# Altium PCB Remote_Control_PCB.PcbDoc
Units mil, origin at the board's own origin, x right, y up, seen from the top; angles counter-clockwise.
Board outline 3934.32 x 2777.57 mil, 2 copper layers (Top Layer, Bottom Layer); 87 components, 60 nets, 361 pads, 447 vias.
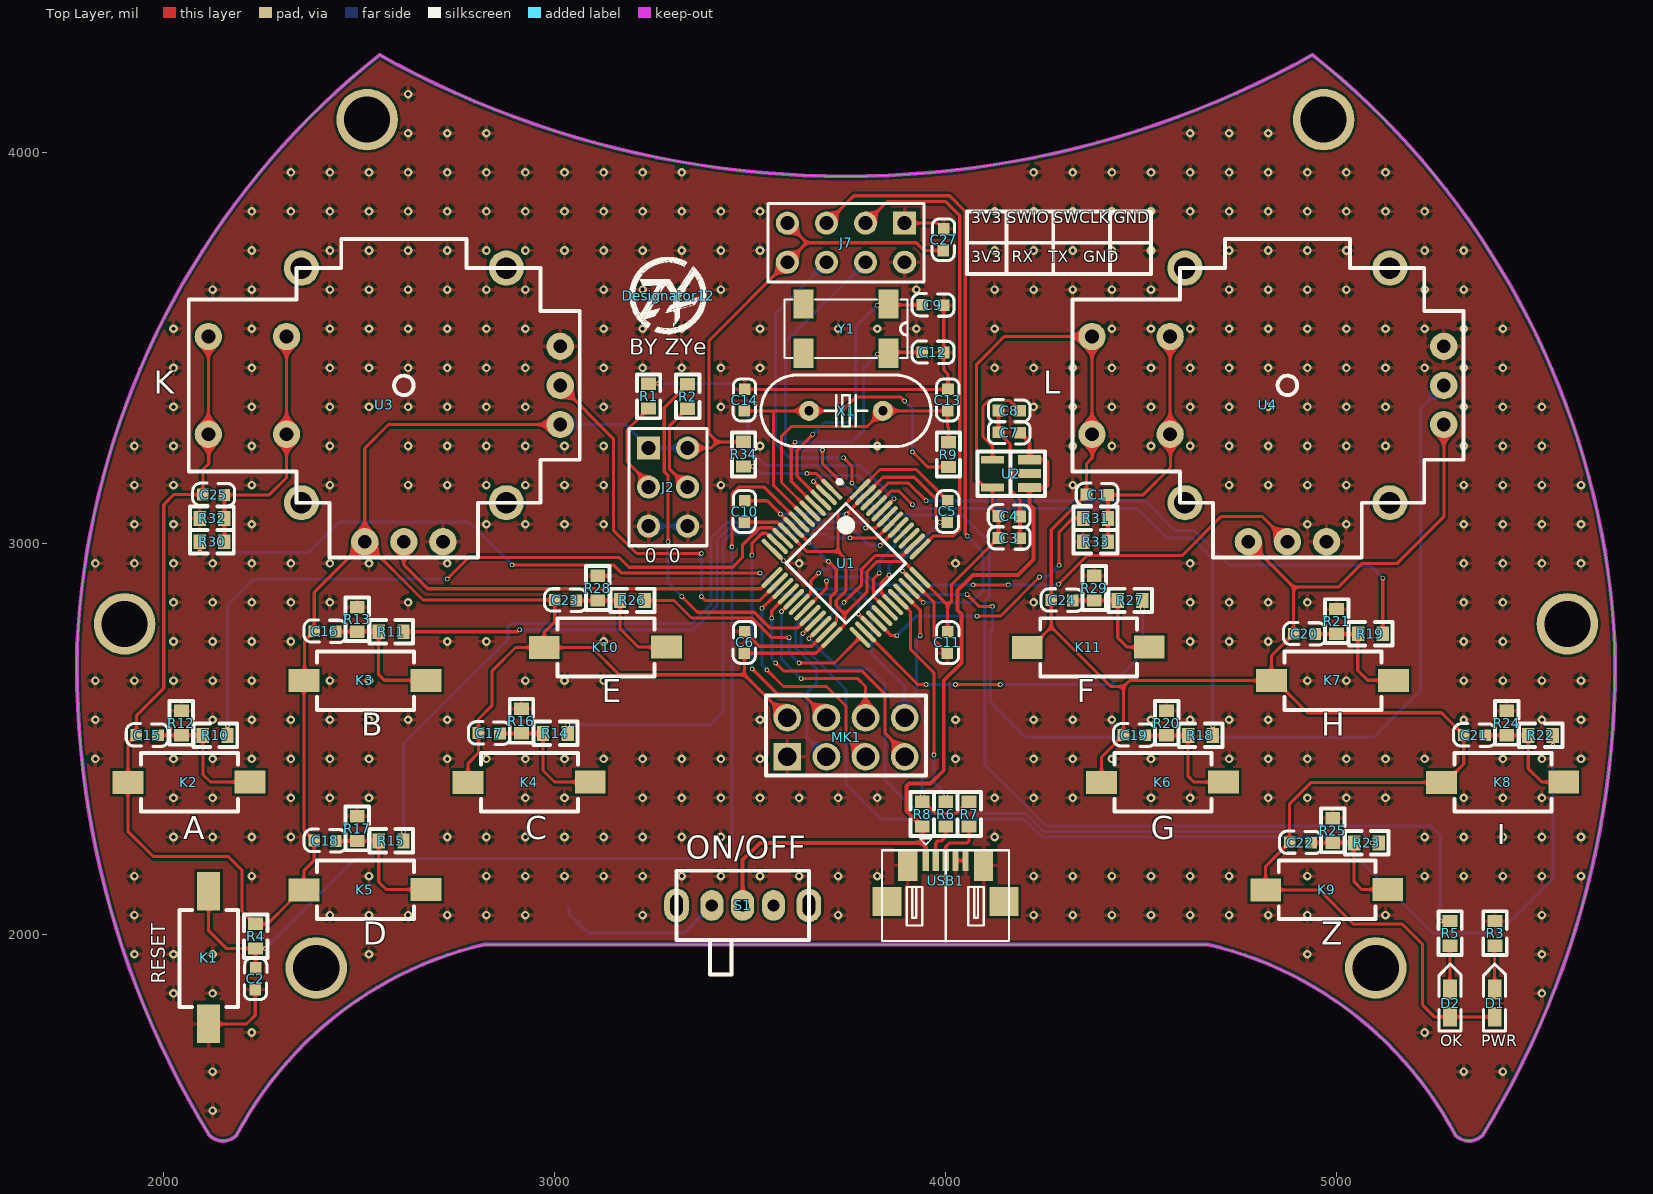
[diagram p0: Top Layer view]
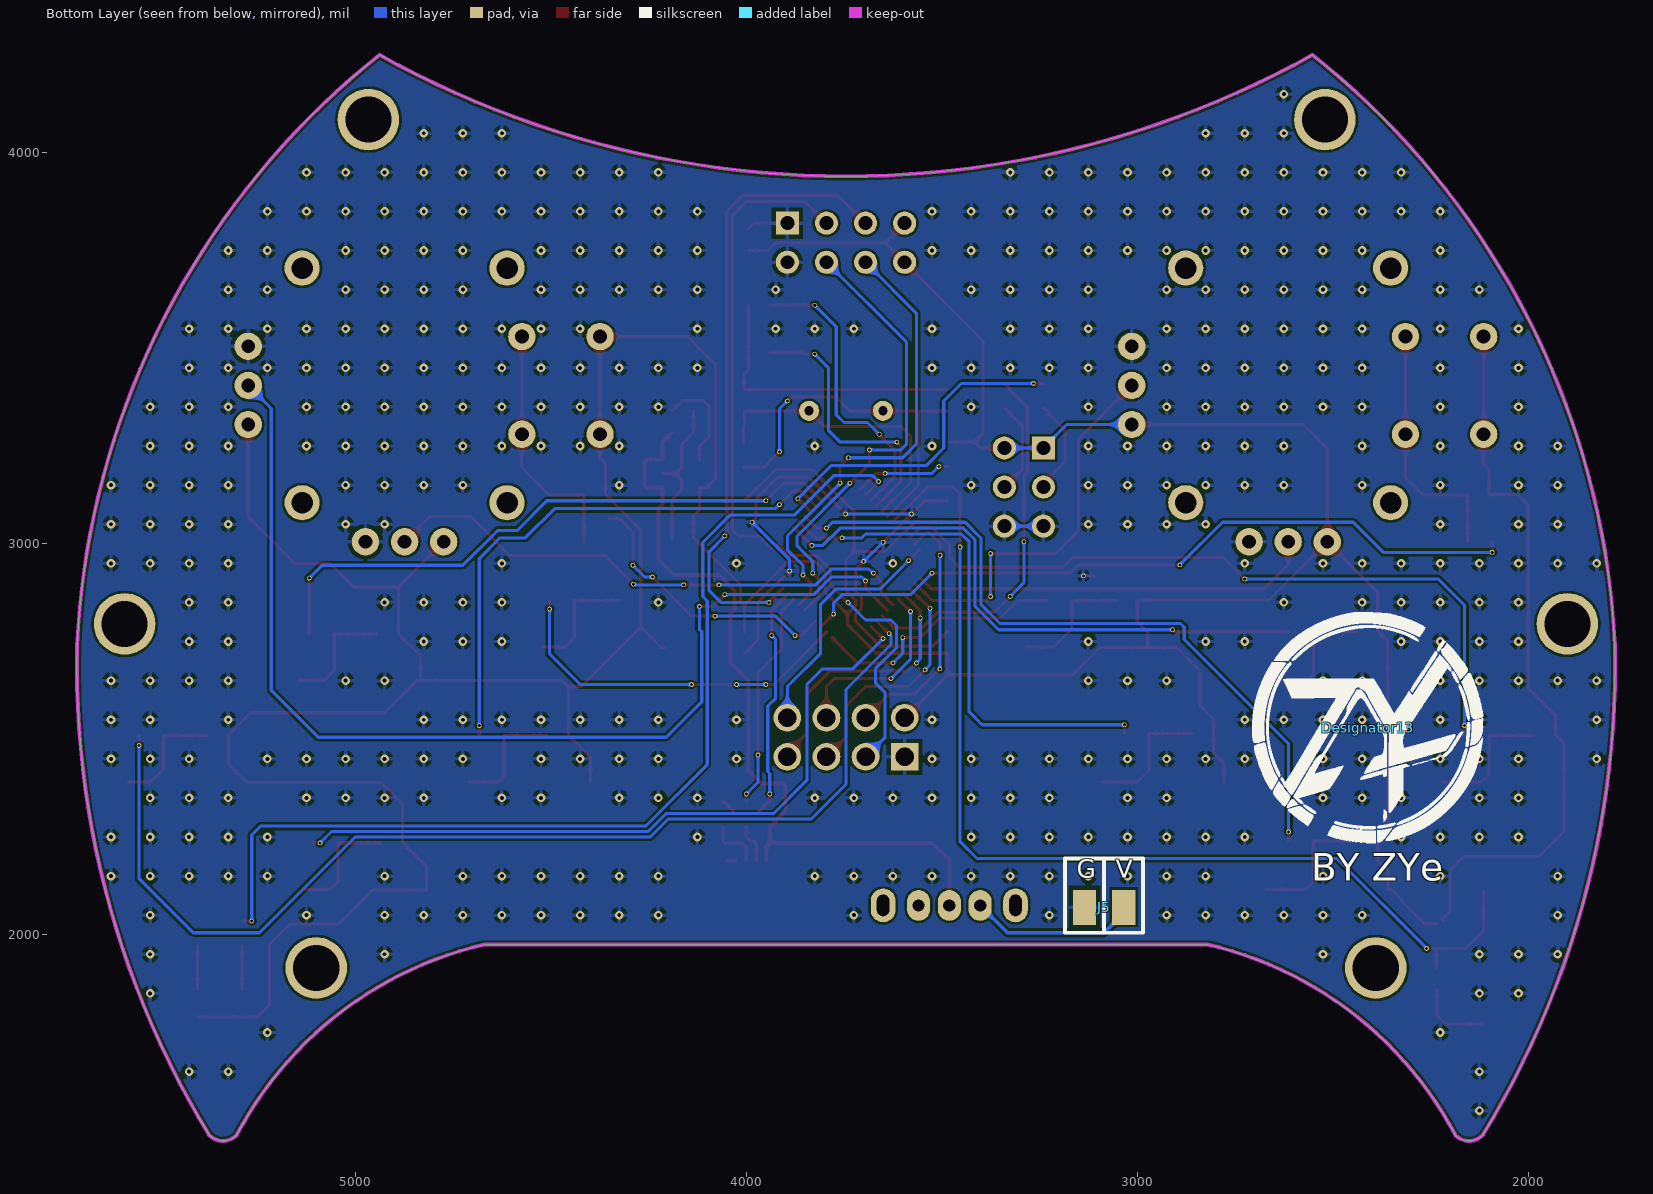
[diagram p1: Bottom Layer view, seen from below]

## Layer stack, top to bottom
Top Solder: solder mask 0.4, Solder Resist, Dk 3.5
Top Layer: signal copper 1.4
Dielectric 1: dielectric 12.6, FR-4, Dk 4.8
Bottom Layer: signal copper 1.4
Bottom Solder: solder mask 0.4, Solder Resist, Dk 3.5

## Board outline
2116.15,1487.71 ccw(c2151.5,1522.04) 2185.83,1486.68 cw(c3037.4,1036.7) 2820,1975 3745,1975 4670,1975 cw(c4452.6,1036.7) 5304.17,1486.68 ccw(c5338.5,1522.04) 5373.85,1487.71 ccw(c3406.65,2690) 5711.63,2739.38 5711.63,2739.37 ccw(c3661.25,2643.39) 4938.27,4250.41 cw(c3745,6388.8) 2551.73,4250.41 ccw(c3828.75,2643.39) 1778.36,2739.37 1778.37,2739.38 ccw(c4083.35,2690)

## Design rules (kind name [scope] priority, off if disabled: settings)
Clearance [All] p1: gap=6 ignorepadtopadclearanceinfootprint=FALSE
Height [All] p1: minheight=0 maxheight=1300 prefheight=500
HoleSize [All] p1: absolutevalues=TRUE maxlimit=130 minlimit=1 maxpercent=80.000 minpercent=20.000
HoleToHoleClearance [All] p1: gap=6 allowstackedmicrovias=TRUE
MinimumSolderMaskSliver [All] p1: minsoldermaskwidth=0
PolygonConnect [All] p1: connectstyle=Relief reliefconductorwidth=10 reliefentries=4 polygonreliefangle="90 Angle" airgapwidth=10
RoutingVias [All] p1: holewidth=28 width=50 viastyle="Through Hole" minholewidth=28 minwidth=50 maxholewidth=28 maxwidth=50
SilkToSilkClearance [All] p1: silktosilkclearance=0
SilkToSolderMaskClearance [IsPad] p1: minsilkscreentomaskgap=0 clearancetoexposedcopper=TRUE
SolderMaskExpansion [All] p1: expansion=4 istentingtop=FALSE
Width GND [InNet('GND')] p1: maxlimit=10 minlimit=8 preferedwidth=8
Width VCC_3V3 [All] p2: maxlimit=10 minlimit=8 preferedwidth=8
Width VCC_5V [InNet('5V')] p3: maxlimit=14 minlimit=10 preferedwidth=10
Width [All] p4: maxlimit=14 minlimit=8 preferedwidth=8
24 further rules are at their usual default settings.

## Components (designator, comment, footprint, x,y, rotation, side; value= is the part's Value field where it differs from the comment)
C1 "0.1uF" 0603C 4415.21,3124.65 r180 top
C2 "104" 0603C 2233.65,1859.79 r90 top
C3 "106" 0603C 4190.15,3013.65 r180 top
C4 "104" 0603C 4190.15,3069.65 r180 top
C5 "104" 0603C 4003.64,3054.85 r90 top
C6 "104" 0603C 3486.35,2775.21 r270 top
C7 "105" 0603C 4134.79,3285.35 r0 top
C8 "223" 0603C 4134.79,3341.35 r0 top
C9 "20p" 0603C 3995.21,3609.65 r180 top
C10 "104" 0603C 3486.35,3110.21 r270 top
C11 "104" 0603C 4003.64,2719.85 r90 top
C12 "20p" 0603C 3995.21,3488.65 r180 top
C13 "20p" 0603C 4006.35,3395.21 r270 top
C14 "20p" 0603C 3486.35,3395.21 r270 top
C15 "0.1uF" 0603C 1985.21,2509.65 r180 top
C16 "0.1uF" 0603C 2440,2775 r180 top
C17 "0.1uF" 0603C 2860.21,2514.65 r180 top
C18 "0.1uF" 0603C 2440.21,2239.65 r180 top
C19 "0.1uF" 0603C 4510.21,2509.65 r180 top
C20 "0.1uF" 0603C 4945.21,2768.65 r180 top
C21 "0.1uF" 0603C 5380.21,2509.65 r180 top
C22 "0.1uF" 0603C 4935,2235 r180 top
C23 "0.1uF" 0603C 3055.21,2854.65 r180 top
C24 "0.1uF" 0603C 4325.21,2854.65 r180 top
C25 "0.1uF" 0603C 2155.21,3124.65 r180 top
C27 "104" 0603C 3995.35,3805.21 r270 top
D1 "LED" LED-0603B 5404.26,1790 r90 top
D2 "LED" LED-0603B 5290.26,1790 r90 top
Designator12 "Comment" ZY_Logo_Slik_95mil 3290,3635 r0 top
Designator13 "Comment" ZY_Logo_Slik_295mil 2410,2530 r180 bottom
J2 "Pin HDR2X3" "Pin HDR2X3/2.54mm-S" 3240,3245 r270 top
J5 "Power" "Pin HDR1X2/2.54mm-S" 3035,2070 r270 bottom
J7 "USART1/ST_LINK" "Pin HDR2X4/2.54mm-S" 3895,3820 r180 top
K1 "KEY" SMD-3X6X5 2114.8,1771.79 r90 top
K2 "KEY" SMD-3X6X2.5 2218.37,2389.8 r180 top
K3 "KEY" SMD-3X6X2.5 2668.37,2650 r180 top
K4 "KEY" SMD-3X6X2.5 3088.37,2389.8 r180 top
K5 "KEY" SMD-3X6X2.5 2668.37,2114.8 r180 top
K6 "KEY" SMD-3X6X2.5 4708.37,2389.8 r180 top
K7 "KEY" SMD-3X6X2.5 5143.37,2650 r180 top
K8 "KEY" SMD-3X6X2.5 5578.37,2389.8 r180 top
K9 "KEY" SMD-3X6X2.5 5128.37,2114.8 r180 top
K10 "KEY" SMD-3X6X2.5 3283.37,2734.8 r180 top
K11 "KEY" SMD-3X6X2.5 4518.37,2734.8 r180 top
MK1 "NRF24L01" WIRELM-SMD_NRF24L01 3815.8,2958.8 r180 top
R1 "100K" 0603R 3240,3345.99 r90 top
R2 "100K" 0603R 3340,3407.99 r270 top
R3 "510" 0603R 5405,2035 r270 top
R4 "10K" 0603R 2235,1965 r90 top
R5 "510" 0603R 5290,2035 r270 top
R6 "20R" 0603R 4000,2340 r270 top
R7 "20R" 0603R 4060,2340 r270 top
R8 "4.7K" 0603R 3940,2340 r270 top
R9 "1M" 0603R 4007.06,3259.56 r270 top
R10 "1K" 0603R 2162.99,2510 r180 top
R11 "1K" 0603R 2612.99,2775 r180 top
R12 "4.7K" 0603R 2045,2572.99 r270 top
R13 "4.7K" 0603R 2495,2837.99 r270 top
R14 "1K" 0603R 3032.99,2515 r180 top
R15 "1K" 0603R 2612.99,2240 r180 top
R16 "4.7K" 0603R 2915,2577.99 r270 top
R17 "4.7K" 0603R 2495,2302.99 r270 top
R18 "1K" 0603R 4682.99,2510 r180 top
R19 "1K" 0603R 5117.99,2770 r180 top
R20 "4.7K" 0603R 4565,2572.99 r270 top
R21 "4.7K" 0603R 5000,2832.99 r270 top
R22 "1K" 0603R 5552.99,2510 r180 top
R23 "1K" 0603R 5107.99,2235 r180 top
R24 "4.7K" 0603R 5435,2572.99 r270 top
R25 "4.7K" 0603R 4990,2297.99 r270 top
R26 "1K" 0603R 3230,2855 r180 top
R27 "1K" 0603R 4502.99,2855 r180 top
R28 "4.7K" 0603R 3110,2917.99 r270 top
R29 "4.7K" 0603R 4380,2917.99 r270 top
R30 "1K" 0603R 2092.01,3005 r0 top
R31 "1K" 0603R 4352.01,3065 r0 top
R32 "4.7K" 0603R 2092.01,3065 r0 top
R33 "4.7K" 0603R 4352.01,3005 r0 top
R34 "0R" 0603R 3482.94,3197.56 r90 top
S1 "SS-12" SK-12D07VG3 3401.97,2075 r0 top
U1 "STM32F103C8T6" 48P 3745,2950 r315 top
U2 "RT9193" SOT-23-5 4167.24,3179.57 r90 top
U3 "摇杆" 摇杆_直插_圆半径13_10电气脚_4固定脚 2615,3405 r90 top
U4 "摇杆" 摇杆_直插_圆半径13_10电气脚_4固定脚 4875,3405 r90 top
USB1 "Micro-USB" USB-MICRO_A 3949,2190 r0 top
X1 "XTAL-2P" "OSC HC-49S" 3745,3340 r0 top
Y1 "32.768K" MC-306 3745,3550 r180 top

## Footprints (in the part's own frame and the unit in brackets; to place one, negate y for a bottom-side part, rotate by r counter-clockwise, add the part's x,y. Pads: shape width x height; smd on the part's side, far side on the other; paste and mask are expansions set on the pad)
48P [mm]
  oval 1.8x0.3 smd: 1(-4.05,2.75) 2(-4.05,2.25) 3(-4.05,1.75) 4(-4.05,1.25) 5(-4.05,0.75) 6(-4.05,0.25) 7(-4.05,-0.25) 8(-4.05,-0.75) 9(-4.05,-1.25) 10(-4.05,-1.75) 11(-4.05,-2.25) 12(-4.05,-2.75) 25(4.05,-2.75) 26(4.05,-2.25) 27(4.05,-1.75) 28(4.05,-1.25) 29(4.05,-0.75) 30(4.05,-0.25) 31(4.05,0.25) 32(4.05,0.75) 33(4.05,1.25) 34(4.05,1.75) 35(4.05,2.25) 36(4.05,2.75)
  oval 0.3x1.8 smd: 13(-2.75,-4.05) 14(-2.25,-4.05) 15(-1.75,-4.05) 16(-1.25,-4.05) 17(-0.75,-4.05) 18(-0.25,-4.05) 19(0.25,-4.05) 20(0.75,-4.05) 21(1.25,-4.05) 22(1.75,-4.05) 23(2.25,-4.05) 24(2.75,-4.05) 37(2.75,4.05) 38(2.25,4.05) 39(1.75,4.05) 40(1.25,4.05) 41(0.75,4.05) 42(0.25,4.05) 43(-0.25,4.05) 44(-0.75,4.05) 45(-1.25,4.05) 46(-1.75,4.05) 47(-2.25,4.05) 48(-2.75,4.05)
  silkscreen extent -4.17,-2.75 2.75,3.57, body extent -3.5,-3.5 3.5,3.5, height 1.6
0603C [mil]
  rect 30x30 smd: 1(0.21,-0.35) 2(55.21,-1.35)
  silkscreen extent -26,-30 81,28, body extent -1,-15 62,17, height 12
0603R [mm]
  rect 0.8x0.965 smd: 1(0,0) 2(1.6,0)
  silkscreen extent -0.64,-0.76 2.21,0.76, body extent -0.04,-0.41 1.56,0.41, height 0.45
LED-0603B [mil]
  rect 50x35 smd: A(0,0.26) K(70,0.26)
  silkscreen extent -36,-28 135,28, body extent 4,-15 66,17, height 24
MC-306 [mm]
  rect 1.3x1.9 smd: 1(-2.75,-1.6) 2(2.75,-1.6) 3(2.75,1.6) 4(-2.75,1.6)
  silkscreen extent -4,-1.9 4,1.9
"OSC HC-49S" [mm]
  round 1.3 hole 0.6: 1(-2.4,0) 2(2.4,0)
  silkscreen extent -5.52,-2.32 5.52,2.33, body extent -5.53,-2.29 5.53,2.36, height 4.13
"Pin HDR1X2/2.54mm-S" [mil]
  rect 90x60 smd: 1(0,0) 2(0,-100)
  silkscreen extent -125,-150 65,50
"Pin HDR2X3/2.54mm-S" [mm] "Connector; Header; 3x2 Position"
  rect 1.5x1.5 hole 0.9: 1(0,0)
  round 1.5 hole 0.9: 2(0,2.54) 3(2.54,0) 4(2.54,2.54) 5(5.08,0) 6(5.08,2.54)
  silkscreen extent -1.27,-1.27 6.35,3.81, body extent -1.27,-1.27 6.35,3.81, height 7.58
"Pin HDR2X4/2.54mm-S" [mm] "Connector; Header; 4x2 Position"
  rect 1.5x1.5 hole 0.9: 1(0,0)
  round 1.5 hole 0.9: 2(0,2.54) 3(2.54,0) 4(2.54,2.54) 5(5.08,0) 6(5.08,2.54) 7(7.62,0) 8(7.62,2.54)
  silkscreen extent -1.27,-1.27 8.89,3.81, body extent -1.27,-1.27 8.89,3.81, height 7.58
SK-12D07VG3 [mm]
  oval 1.6x2.2 hole 0.8 slot 1.4 at 90 deg: 0(-2.3,0) 0(6.3,0)
  oval 1.5x2 hole 0.8: 1(0,0) 2(2,0) 3(4,0)
  silkscreen extent -2.3,-4.48 6.3,2.25
SMD-3X6X2.5 [mm]
  rect 2x1.5 smd: 1(-0.059,-0.02) 3(7.874,0)
  silkscreen extent 0.73,-1.9 7.03,1.9, body extent -0.19,-1.78 7.81,1.72, height 2.59
SMD-3X6X5 [mm]
  rect 2.5x1.5 smd: 1(0,0) 3(8.636,0)
  silkscreen extent 1.11,-1.9 7.41,1.9, body extent -0.41,-1.72 8.79,1.78, height 5.1
SOT-23-5 [mm]
  rect 0.6x1.5 smd: 1(-0.9,-1.2) 2(0,-1.2)
  rect 0.63x1.5 smd: 3(0.9,-1.2)
  rect 0.5x1.5 smd: 4(0.9,1.2) 5(-0.9,1.2)
  silkscreen extent -1.47,-2.21 1.43,2.18
USB-MICRO_A [mm]
  rect 1.9x1.9 smd: 0(-2.515,-2.667) 0(5.08,-2.667)
  rect 0.4x1.4 smd: 1(0,0) 2(0.648,0) 3(1.295,0) 4(1.943,0) 5(2.591,0)
  rect 1.25x2 smd: 5(-1.168,-0.33) 5(3.759,-0.33)
  silkscreen extent -2.84,-5.24 5.41,1.4, body extent -2.71,-5.08 5.25,0.34, height 2.69
WIRELM-SMD_NRF24L01 [mm]
  rect 1.8x1.8 hole 1.2: 1(5.606,12.799)
  round 1.8 hole 1.2: 2(5.608,10.256) 3(3.068,12.796) 4(3.068,10.256) 5(0.528,12.796) 6(0.528,10.256) 7(-2.012,12.796) 8(-2.012,10.256)
  silkscreen extent -3.4,8.8 7,14
ZY_Logo_Slik_95mil [mil]
  silkscreen extent -99,-99 98,98
ZY_Logo_Slik_295mil [mil]
  silkscreen extent -296,-296 295,295
摇杆_直插_圆半径13_10电气脚_4固定脚 [mil]
  round 70 hole 35.4: 1(-125,500.95) 2(125,500.95) 3(-125,300.95) 4(125,300.95)
  round 70 hole 35: 5(-400,100.95) 6(-400,0.95) 7(-400,-99.05) 8(-100,-399.05) 9(0,-399.05) 10(100,-399.05)
  round 90 hole 55: MOUNT1(-300,262.95) MOUNT2(-300,-261.05) MOUNT3(300,-261.05) MOUNT4(300,262.95)
  silkscreen extent -440,-449 375,551, body extent -500,-496 484,488, height 1156

## Part data
C1 C2 C3 C4 C5 C6 C7 C8 C9 C10 C11 C12 C13 C14 C15 C16 C17 C18 C19 C20 C21 C22 C23 C24 C25 C27: library part CAP, "无极性电容"
J5: library part "Pin HDR1X2"
J7: library part "Pin HDR2X4"
R1 R2 R3 R4 R5 R6 R7 R8 R9 R10 R11 R12 R13 R14 R15 R16 R17 R18 R19 R20 R21 R22 R23 R24 R25 R26 R27 R28 R29 R30 R31 R32 R33 R34: library part RES
S1: library part SS-12X
U2: library part RT9193X_5P, ICA_MFR_NAME=RICHTEK, ICA_PARTNUM=$$2191094$$RT9193-15CU5, Part Number=TMP-13
X1: "2脚无源脚晶振"
Y1: library part XTAL, "Crystal Oscillator", LatestRevisionDate=17-Jul-2002, LatestRevisionNote="Re-released for DXP Platform.", Published=8-Jun-2000, Publisher="Altium Limited"

## Free pads (board coordinates)
  round 12 hole 8 mask+4: 3(2092.01,2977.99) 3(2260,1965) 3(2612.99,2262.99) 3(2910,2780) 3(3032.99,2537.01) 3(3265.87,3410.09) 3(3290,3005) 3(3325,2865) 3(3375,2865) 3(3375,2975) 3(3453,2992) 3(3504.24,2970.76) 3(3505,2680) 3(3507.56,3197.56) 3(3525,2925) 3(3530,2835) 3(3542.56,2677.44) 3(3555,2810) 3(3565,2695) 3(3577.31,3075.93) 3(3580,2826.76) 3(3585,2956.89) 3(3600,2760) 3(3615,3260) 3(3625,2695) 3(3630,2655) 3(3634.8,2770.2) 3(3645,3180) 3(3650,2757.56) 3(3650,3004) 3(3660,3280) 3(3661.69,3159.23) 3(3675,2925) 3(3685,3240) 3(3695,2905) 3(3700,2955) 3(3735,3155) 3(3738.92,3220) 3(3740,2850) 3(3745.93,3075.93) 3(3755,3015) 3(3760,3155) 3(3776.53,2820) 3(3795,3040) 3(3825,3485) 3(3825,3610) 3(3830,2925) 3(3832.52,2995.77) 3(3855,2920) 3(3868.24,3115) 3(3875,2765) 3(3889.24,2930) 3(3895,3365) 3(3915,3100) 3(3915,3235) 3(3935,2765) 3(3940,2360) 3(3942.44,2850) 3(3950,2640) 3(3950,3110) 3(3970,2460) 3(3985,3055) 3(4000,2360) 3(4025,2640) 3(4055,2870) 3(4055,3020) 3(4070,2895) 3(4080,2815) 3(4120,2840) 3(4140,2640) 3(4160,2895) 3(4240,2915) 3(4288.65,2896.44) 3(4290,2945) 3(4502.99,2832.99) 3(4682.99,2535) 3(5090,2235) 3(5117.99,2912.01) 3(5265,2035) 3(5552.99,2484) 4(2162.99,2535) 4(2725,2910) 4(2891,2946) 4(3137.99,2917.99)
  round 157.48 hole 118.11: 5(1900,2795) 5(2390,1915) 5(4966.54,4085) 5(5100,1915) 5(5590,2795) ""(2520,4085)

## Via types
v1: diameter 22/22 (per signal layer), hole 10, Top Layer to Bottom Layer, tented both sides, 447 vias

## Nets (pads, with @x,y where several pads share a name; then routed paths per layer and width w, separated by ;. In a path a pad name is that pad's centre, name@x,y a point inside that pad or via, vN(x,y) a via of type N, cw(c..) or ccw(c..) an arc to the next point about the centre after c; other vN are vias at no path point)
5V: C7.2 R8.2 S1.2 U2.1 U2.3 USB1.1 | length 2052.1
  Top Layer w10: S1.2 3480.71,2190.71 3525,2235 3940,2235 ; USB1.1 3949,2226 3940,2235 ; C7.2 4214.49,3259.51 U2.3 4255.31,3215 4260,3210.31 4260,3148.82 4255.31,3144.13 U2.1 4214.49,3100.51 4225,3090 4225,2960 4185,2920 4070,2920 4030,2880 4030,2830 4040,2820 4040,2695 3995,2650 3995,2420 3961.54,2386.54 3906.54,2386.54 3900,2380 3900,2317.01 3925,2292 3925,2288.76 3936.75,2277.01 R8.2 3940,2235
ADC1(PA3): U1.13 U3.6 | length 1037.6
  Top Layer w8: U3.6 2614.05,2946.36 2675.4,2885 3526.89,2885 U1.13
ADC2(PA4): pad.3@3375,2865 pad.3@3375,2975 U1.14 U3.9 | length 1003.5
  Top Layer w8: U3.9 3150,3269.05 3150,3035 3210,2975 pad.3@3375,2975 ; pad.3@3375,2865 3385,2855 3524.73,2855 U1.14
  Bottom Layer w8: pad.3@3375,2865 pad.3@3375,2975
ADC3(PB0): pad.3@3675,2925 pad.3@4070,2895 pad.3@4160,2895 pad.3@4288.65,2896.44 U1.18 U4.6 | length 1420.6
  Top Layer w8: U1.18 3655.19,2874.57 3655,2874.75 3655,2905 pad.3@3675,2925 ; pad.3@4070,2895 pad.3@4160,2895 ; pad.3@4288.65,2896.44 4362.21,2970 4605,2970 4705,3070 4809.05,3070 U4.6
  Bottom Layer w8: pad.3@3675,2925 3676.08,2925 3686.08,2935 3782.37,2935 3822.37,2895 pad.3@4070,2895 ; pad.3@4160,2895 4287.21,2895 pad.3@4288.65,2896.44
ADC4(PB1): pad.3@3695,2905 pad.3@4055,2870 pad.3@4120,2840 U1.19 U4.9 | length 2797.4
  Top Layer w8: U1.19 3695,2886.08 pad.3@3695,2905 ; pad.3@4055,2870 4085,2840 pad.3@4120,2840
  Bottom Layer w8: pad.3@3695,2905 3705,2915 3782.57,2915 3827.57,2870 pad.3@4055,2870 ; pad.3@4120,2840 4120,2781 4114,2775 4114,2596 4205,2505 5095,2505 5215,2625 5215,3345.95 U4.9
BOOT0: pad.3@3265.87,3410.09 pad.3@3868.24,3115 R1.2 U1.44 | length 864.7
  Top Layer w8: R1.2 3241.02,3410 pad.3@3265,3410 ; U1.44 pad.3@3868.24,3115
  Bottom Layer w8: pad.3@3265.87,3410.09 3449.91,3410.09 3495,3365 3495,3245 3540,3200 3783.24,3200 pad.3@3868.24,3115
BOOT1: pad.3@3290,3005 pad.3@3325,2865 R2.1 U1.20 | length 962.7
  Top Layer w8: pad.3@3290,3005 3290,3174 3280,3184 3280,3347.99 3325,3393 3325,3396.24 3336.75,3407.99 R2.1 ; pad.3@3325,2865 3365,2825 3510,2825 3550,2785 3621.76,2785 U1.20
  Bottom Layer w8: pad.3@3290,3005 3290,2900 pad.3@3325,2865
GND: C2.1 C3.1 C4.1 C5.1 C6.1 C7.1 C8.1 C9.1 C10.1 C11.1 C12.1 C13.1 C14.1 C27.1 J2.5 J2.6 J5.2 J7.1 J7.2 K1.1 MK1.1 pad.3@3577.31,3075.93 pad.3@3650,3004 pad.3@3700,2955 pad.3@3745.93,3075.93 pad.3@3889.24,2930 pad.3@3985,3055 pad.4@3137.99,2917.99 R3.1 R12.1 R13.1 R16.1 R17.1 R20.1 R21.1 R24.1 R25.1 R28.1 R29.1 R32.1 R33.1 U1.8 U1.23 U1.35 U1.47 U2.2 U3.7 U3.10 U4.7 U4.10 USB1.4 USB1.5 | length 3265.7
  Top Layer w8: K1.1 2211.79,1771.79 2234,1794 C2.1 ; R28.1 pad.4@3137.99,2917.99 ; C6.1 3523,2738 3657.24,2738 3693.86,2774.62 U1.23 3694.89,2775.65 3720.97,2801.73 3720.97,2819.03 3705,2835 3705,2863.17 3720,2878.17 3720,2935 pad.3@3700.77,2954.23 ; C10.1 3543.24,3110 U1.8 3649.24,3004 pad.3@3650,3004 ; C14.1 C13.1 4006,3434 3995,3445 C12.1 C9.1 ; pad.3@3745.93,3075.93 3795.11,3125.11 U1.47 3839.73,3170 3920,3170 3975,3115 3975,3065 pad.3@3985,3055 ; pad.3@3889.24,2930 3919.35,2899.89 U1.35 3920.38,2899.62 3920.66,2899.62 3970,2850.27 3970,2754.06 C11.1 ; J7.1 3980,3820 C27.1 ; USB1.4 USB1.5@4051,2190 ; C8.1 C7.1 4165,3255 4165,3195 4180.43,3179.57 ; C3.1 C4.1 4189.94,3113.21 4165,3138.14 4165,3164.13 4180.43,3179.57 ; U2.2 4180.43,3179.57
  Bottom Layer w8: J2.5 J2.6 ; pad.3@3577.31,3075.93 pad.3@3745.93,3075.93 ; pad.3@3650,3004 3650.5,3004 3699.5,2955 pad.3@3700,2955 ; pad.3@3889.24,2930 3889.24,2959.24 pad.3@3985,3055
  other v1: 2125,1550 2125,1650 5325,1650 5425,1650 2225,1750 5225,1750 2025,1850 2125,1850 5525,1850 1925,1950 2025,1950 2125,1950 2525,1950 4925,1950 5525,1950 1925,2050 2425,2050 2525,2050 2625,2050 2725,2050 2825,2050 2925,2050 3225,2050 3725,2050 4225,2050 4325,2050 4425,2050 4525,2050 4625,2050 4725,2050 4825,2050 4925,2050 5125,2050 5525,2050 1925,2150 2225,2150 2525,2150 2825,2150 2925,2150 3025,2150 3125,2150 3225,2150 3325,2150 3425,2150 3525,2150 3625,2150 3725,2150 3825,2150 4225,2150 4325,2150 4425,2150 4525,2150 4625,2150 4725,2150 4925,2150 5225,2150 5325,2150 5425,2150 5525,2150 5625,2150 2025,2250 2125,2250 2225,2250 2325,2250 2725,2250 2825,2250 2925,2250 3025,2250 3125,2250 3225,2250 3325,2250 3425,2250 4125,2250 5225,2250 5325,2250 5425,2250 5525,2250 5625,2250 2025,2350 2125,2350 2325,2350 2425,2350 2525,2350 2925,2350 3025,2350 3225,2350 3325,2350 3425,2350 3525,2350 3625,2350 3725,2350 3825,2350 4125,2350 4225,2350 4325,2350 4525,2350 4625,2350 4825,2350 4925,2350 5025,2350 5125,2350 5325,2350 5425,2350 5525,2350 1825,2450 2025,2450 2125,2450 2225,2450 2325,2450 2425,2450 2525,2450 2725,2450 2825,2450 2925,2450 3025,2450 3125,2450 3225,2450 3325,2450 3425,2450 3525,2450 4025,2450 4225,2450 4325,2450 4425,2450 4525,2450 4725,2450 4825,2450 4925,2450 5025,2450 5125,2450 5225,2450 5425,2450 5525,2450 5625,2450 1825,2550 2125,2550 2225,2550 2325,2550 2425,2550 2525,2550 2625,2550 2725,2550 3525,2550 4025,2550 4225,2550 4325,2550 4425,2550 4525,2550 4625,2550 4725,2550 4825,2550 5325,2550 5525,2550 5625,2550 1825,2650 1925,2650 2025,2650 2125,2650 2225,2650 2425,2650 2525,2650 2925,2650 3025,2650 3125,2650 4925,2650 5025,2650 5325,2650 5425,2650 5525,2650 5625,2650 2025,2750 2125,2750 2225,2750 2325,2750 2725,2750 2825,2750 3125,2750 4625,2750 4725,2750 4825,2750 5325,2750 5425,2750 2025,2850 2125,2850 2225,2850 2325,2850 2425,2850 2625,2850 4225,2850 4625,2850 4725,2850 4825,2850 4925,2850 5325,2850 5425,2850 1825,2950 1925,2950 2025,2950 2125,2950 2225,2950 2325,2950 2425,2950 2525,2950 2725,2950 3625,2950 4025,2950 4625,2950 5325,2950 5425,2950 5525,2950 5625,2950 1925,3050 2025,3050 2225,3050 2825,3050 2925,3050 3025,3050 3125,3050 4925,3050 5025,3050 5325,3050 5425,3050 5525,3050 5625,3050 1925,3150 2025,3150 2225,3150 2425,3150 2625,3150 2725,3150 2825,3150 2925,3150 3025,3150 3125,3150 3425,3150 4325,3150 4725,3150 4825,3150 4925,3150 5025,3150 5325,3150 5425,3150 5525,3150 5625,3150 1925,3250 2025,3250 2225,3250 2425,3250 2625,3250 2725,3250 2825,3250 2925,3250 3025,3250 3125,3250 3525,3250 3825,3250 4325,3250 4425,3250 4525,3250 4625,3250 4725,3250 4825,3250 4925,3250 5025,3250 5125,3250 5325,3250 5425,3250 5525,3250 2025,3350 2225,3350 2425,3350 2525,3350 2625,3350 2725,3350 2825,3350 2925,3350 3125,3350 3425,3350 4225,3350 4325,3350 4425,3350 4525,3350 4625,3350 4725,3350 4825,3350 4925,3350 5025,3350 5125,3350 5325,3350 5425,3350 5525,3350 2025,3450 2225,3450 2425,3450 2525,3450 2625,3450 2725,3450 2825,3450 2925,3450 3125,3450 3225,3450 3325,3450 3425,3450 3525,3450 4125,3450 4225,3450 4325,3450 4425,3450 4525,3450 4625,3450 4725,3450 4825,3450 4925,3450 5025,3450 5125,3450 5225,3450 5325,3450 5425,3450 2025,3550 2225,3550 2425,3550 2525,3550 2625,3550 2725,3550 2825,3550 2925,3550 3125,3550 3225,3550 3325,3550 3525,3550 3725,3550 3825,3550 3925,3550 4125,3550 4425,3550 4525,3550 4625,3550 4725,3550 4825,3550 4925,3550 5025,3550 5125,3550 5225,3550 5325,3550 5425,3550 2125,3650 2225,3650 2425,3650 2525,3650 2625,3650 2725,3650 2825,3650 2925,3650 3125,3650 3225,3650 3325,3650 3425,3650 3925,3650 4125,3650 4225,3650 4325,3650 4425,3650 4525,3650 4725,3650 4825,3650 4925,3650 5025,3650 5225,3650 5325,3650 2225,3750 2425,3750 2525,3750 2625,3750 2725,3750 2825,3750 2925,3750 3025,3750 3125,3750 3225,3750 3325,3750 3425,3750 3525,3750 4125,3750 4225,3750 4325,3750 4425,3750 4525,3750 4725,3750 4825,3750 4925,3750 5025,3750 5225,3750 5325,3750 2225,3850 2325,3850 2425,3850 2525,3850 2625,3850 2725,3850 2825,3850 2925,3850 3025,3850 3125,3850 3225,3850 3325,3850 3425,3850 3525,3850 4125,3850 4225,3850 4325,3850 4425,3850 4525,3850 4625,3850 4725,3850 4825,3850 4925,3850 5025,3850 5125,3850 5225,3850 2325,3950 2425,3950 2525,3950 2625,3950 2725,3950 2825,3950 2925,3950 3025,3950 3125,3950 3225,3950 3325,3950 4225,3950 4325,3950 4425,3950 4525,3950 4625,3950 4725,3950 4825,3950 4925,3950 5025,3950 5125,3950 2625,4050 2725,4050 2825,4050 4625,4050 4725,4050 4825,4050 2625,4150
KEY1(PA0): pad.4@2162.99,2535 pad.4@2725,2910 R10.1 U1.10 | length 1885.8
  Top Layer w8: R10.1 pad.4@2162.99,2535 ; pad.4@2725,2910 2780,2965 3165,2965 3190,2940 3455,2940 3480,2965 3480,2996.31 3524.69,3041 3555.53,3041 3582.5,3014.03 U1.10
  Bottom Layer w8: pad.4@2162.99,2535 2162.99,2842.99 2230,2910 pad.4@2725,2910
KEY2(PB5): pad.3@2910,2780 pad.3@3832.52,2995.77 R11.1 U1.41 | length 1512.4
  Top Layer w8: R11.1 2905,2775 pad.3@2910,2780 ; pad.3@3832.52,2995.77 U1.41
  Bottom Layer w8: pad.3@2910,2780 3355,2780 3415,2840 3415,3010 3445,3040 3760,3040 3804.23,2995.77 pad.3@3832.52,2995.77
KEY3(PB6): pad.3@3032.99,2537.01 pad.3@3755,3015 R14.1 U1.42 | length 1331.8
  Top Layer w8: R14.1 pad.3@3032.99,2537.01 ; pad.3@3755,3015 3823.92,3015 U1.42
  Bottom Layer w8: pad.3@3032.99,2537.01 3397.01,2537.01 3430,2570 3430,3005.2 3449.8,3025 3695,3025 3705,3015 pad.3@3755,3015
KEY4(PB7): pad.3@2612.99,2262.99 pad.3@3795,3040 R15.1 U1.43 | length 1857.2
  Top Layer w8: R15.1 pad.3@2612.99,2262.99 ; pad.3@3795,3040 3820.05,3040 3849.76,3069.71 U1.43
  Bottom Layer w8: pad.3@2612.99,2262.99 2612.99,2487.99 2880,2755 2880,2786.63 2889.37,2796 3351,2796 3400,2845 3400,3014.8 3440.2,3055 3780,3055 pad.3@3795,3040
KEY5(PB8): pad.3@3915,3100 pad.3@4682.99,2535 R18.1 U1.45 | length 1399.1
  Top Layer w8: U1.45 3860.2,3134.8 3880.2,3134.8 pad.3@3915,3100 ; R18.1 pad.3@4682.99,2535
  Bottom Layer w8: pad.3@3915,3100 3916.08,3100 3926.08,3090 4490,3090 4565,3015 4630,3015 4682.99,2962.01 pad.3@4682.99,2535
KEY6(PB9): pad.3@3950,3110 pad.3@5117.99,2912.01 R19.1 U1.46 | length 1569.7
  Top Layer w8: U1.46 3852.56,3155 3905,3155 pad.3@3950,3110 ; R19.1 pad.3@5117.99,2912.01
  Bottom Layer w8: pad.3@3950,3110 4510,3110 4586,3034 4636,3034 4725,2945 5085,2945 pad.3@5117.99,2912.01
KEY7(PB10): pad.3@3634.8,2770.2 pad.3@5552.99,2484 R22.1 U1.21 | length 2870
  Top Layer w8: pad.3@3634.8,2770.2 U1.21 ; pad.3@5552.99,2484 R22.1
  Bottom Layer w8: pad.3@3634.8,2770.2 3634.8,2769.12 3630,2764.32 3630,2742.43 3745,2627.43 3745,2385 3834,2296 4199.4,2296 4245.4,2250 5000,2250 5245,2005 5415,2005 5552.99,2142.99 pad.3@5552.99,2484
KEY8(PB11): pad.3@3650,2757.56 pad.3@5090,2235 R23.1 U1.22 | length 1861.8
  Top Layer w8: pad.3@3650,2757.56 U1.22 ; pad.3@5090,2235 R23.1
  Bottom Layer w8: pad.3@3650,2757.56 3727.56,2680 3805,2680 3845,2640 3845,2395 3930,2310 4205.2,2310 4251.2,2264 5061,2264 pad.3@5090,2235
KEY9(PB12): pad.3@3600,2760 pad.3@3625,2695 R26.1 U1.25 | length 668.1
  Top Layer w8: R26.1 3305,2855 3350,2810 3505,2810 3555,2760 pad.3@3600,2760 ; pad.3@3625,2695 3715.49,2695 U1.25
  Bottom Layer w8: pad.3@3600,2760 3600,2720 pad.3@3625,2695
KEY10(PB13): pad.3@3950,2640 pad.3@4025,2640 pad.3@4140,2640 pad.3@4502.99,2832.99 R27.1 U1.26 | length 933.6
  Top Layer w8: U1.26 3795.11,2773.58 3928.69,2640 pad.3@3950,2640 ; pad.3@4025,2640 pad.3@4140,2640 ; pad.3@4502.99,2832.99 R27.1
  Bottom Layer w8: pad.3@3950,2640 pad.3@4025,2640 ; pad.3@4140,2640 4425,2640 4502.99,2717.99 pad.3@4502.99,2832.99
KEY11(PB14): pad.3@2092.01,2977.99 pad.3@3525,2925 pad.3@3776.53,2820 pad.4@2891,2946 R30.1 U1.27 | length 1903
  Top Layer w8: pad.3@2092.01,2977.99 R30.1 ; pad.4@2891,2946 3150,2946 3171,2925 pad.3@3525,2925 ; pad.3@3776.53,2820 3808,2788.53 U1.27
  Bottom Layer w8: pad.3@2092.01,2977.99 2370.49,2977.99 2447.5,3055 2782,3055 pad.4@2891,2946 ; pad.3@3525,2925 3580,2870 3755,2870 3776.53,2848.47 pad.3@3776.53,2820
KEY12(PB15): pad.3@3875,2765 pad.3@4080,2815 pad.3@4240,2915 pad.3@4290,2945 R31.1 U1.28 | length 718.6
  Top Layer w8: U1.28 3860.4,2765 pad.3@3875,2765 ; pad.3@4080,2815 4140,2815 pad.3@4240,2915 ; pad.3@4290,2945 4290,3030 4325,3065 R31.1
  Bottom Layer w8: pad.3@3875,2765 3925,2815 pad.3@4080,2815 ; pad.3@4240,2915 4260,2915 pad.3@4290,2945
LED(PC13): pad.3@3661.69,3159.23 pad.3@5265,2035 R5.1 U1.2 | length 2632.5
  Top Layer w8: pad.3@3661.69,3159.23 U1.2 ; pad.3@5265,2035 R5.1
  Bottom Layer w8: pad.3@3661.69,3159.23 3677.46,3175 3775,3175 3876,3074 4040.8,3074 4111.46,3003.34 4111.46,2865.15 4100,2853.69 4100,2435 4257,2278 5242,2278 5265,2255 pad.3@5265,2035
NetC1_1: C1.1 R31.2 R33.2 U4.3 U4.4 | length 644.4
  Top Layer w8: R33.2 R31.2 C1.1 4505,3125 4575,3195 4575,3279.05 U4.3 U4.4
NetC8_2: C8.2 U2.4 | length 258.3
  Top Layer w8: U2.4 4120,3249.47 4095,3274.47 4095,3351 4110,3366 4164,3366 C8.2
NetC15_1: C15.1 K2.1 R10.2 R12.2 | length 343.7
  Top Layer w8: C15.1 R12.2 R10.2 2100,2410 2119.41,2390.59 K2.1
NetC16_1: C16.1 K3.1 R11.2 R13.2 | length 346.9
  Top Layer w8: C16.1 2549.65,2775.35 2549.65,2665.35 2564.21,2650.79 K3.1
NetC17_1: C17.1 K4.1 R14.2 R16.2 | length 337.9
  Top Layer w8: C17.1 R16.2 R14.2 2970,2420 2999.41,2390.59 K4.1
NetC18_1: C18.1 K5.1 R15.2 R17.2 | length 343.7
  Top Layer w8: C18.1 R17.2 R15.2 2550,2135 2569.41,2115.59 K5.1
NetC19_1: C19.1 K6.1 R18.2 R20.2 | length 311.7
  Top Layer w8: C19.1 R20.2 R18.2 4620,2405 4634.41,2390.59 K6.1
NetC20_1: C20.1 K7.1 R19.2 R21.2 | length 304.1
  Top Layer w8: C20.1 5054,2769 5054,2676 5079.21,2650.79 K7.1
NetC21_1: C21.1 K8.1 R22.2 R24.2 | length 299.9
  Top Layer w8: C21.1 R24.2 R22.2 5490,2425 5524.41,2390.59 K8.1
NetC22_1: C22.1 K9.1 R23.2 R25.2 | length 304.1
  Top Layer w8: C22.1 4990,2235.35 5044.65,2235.35 5044.65,2135.35 5064.41,2115.59 K9.1
NetC23_1: C23.1 K10.1 R26.2 R28.2 | length 322.3
  Top Layer w8: C23.1 R26.2 3167.01,2782.99 3214.41,2735.59 K10.1
NetC24_1: C24.1 K11.1 R27.2 R29.2 | length 300.8
  Top Layer w8: C24.1 R29.2 R27.2 4440,2760 4464.41,2735.59 K11.1
NetC25_1: C25.1 R30.2 R32.2 U3.3 U3.4 | length 658.2
  Top Layer w8: R30.2 R32.2 C25.1 2270,3125 2314.05,3169.05 U3.3 U3.4
NetD1_K: D1.K R3.2 | length 111
  Top Layer w8: D1.K R3.2@5404,1971.01
NetD2_K: D2.K R5.2 | length 112
  Top Layer w8: D2.K R5.2
NetJ2_3: J2.3 R1.1 | length 248.5
  Top Layer w8: J2.3 3240,3155 3185,3210 3185,3290.99 3225,3331 3225,3334.24 3236.75,3345.99 R1.1
NetJ2_4: J2.4 R2.2 | length 240
  Top Layer w8: J2.4 3294,3191 3294,3302.25 3336.75,3345 R2.2
NetJ5_1: J5.1 S1.1 | length 431.7
  Bottom Layer w8: J5.1 3035,2055 J5.1@3061,2029
  Bottom Layer w10: J5.1@3061,2029 3085,2005 3331.97,2005 S1.1
NetR6_2: R6.2 USB1.2 | length 103.4
  Top Layer w8: USB1.2 3974.5,2234.5 3980,2240 3990,2240 4000,2250 R6.2
NetR7_2: R7.2 USB1.3 | length 138.2
  Top Layer w8: USB1.3 4000,2225 4010,2235 4055,2235 4060,2240 R7.2
NetR34_1: pad.3@3507.56,3197.56 pad.3@3645,3180 R34.1 U1.1 | length 250
  Top Layer w8: R34.1 pad.3@3507.56,3197.56 ; pad.3@3645,3180 3668.11,3180 U1.1
  Bottom Layer w8: pad.3@3507.56,3197.56 3525.13,3180 pad.3@3645,3180
NRF_CE(PA15): MK1.3 pad.3@3740,2850 U1.38 | length 803.7
  Top Layer w8: pad.3@3740,2850 3785,2895 3785,2934.8 3820.2,2970 3890.27,2970 U1.38
  Bottom Layer w8: MK1.3 3670,2480 3645,2505 3645,2619.36 3670,2644.36 3670,2680 3616,2734 3616,2791 3630,2805 3695,2805 pad.3@3740,2850
NRF_CLK(PA5): MK1.5 pad.3@3530,2835 pad.3@3542.56,2677.44 U1.15 | length 628.1
  Top Layer w8: pad.3@3530,2835 U1.15 ; pad.3@3542.56,2677.44 3585,2635 3695,2635 3745,2585 3745,2505 MK1.5
  Bottom Layer w8: pad.3@3530,2835 3530,2690.33 3542.56,2677.76 pad.3@3542.56,2677.44
NRF_CSN(PA1): MK1.4 pad.3@3504.24,2970.76 pad.3@3505,2680 U1.11 | length 650.2
  Top Layer w8: pad.3@3504.24,2970.76 3504.24,3000.76 3530.49,3027 3541.69,3027 3568.58,3000.11 U1.11 ; pad.3@3505,2680 3570,2615 3635,2615 MK1.4
  Bottom Layer w8: pad.3@3504.24,2970.76 3504.24,2680.76 pad.3@3505,2680
NRF_IRQ(PA2): MK1.8 pad.3@3585,2956.89 U1.12 | length 638
  Top Layer w8: U1.12 pad.3@3585,2956.89
  Bottom Layer w8: pad.3@3585,2956.89 3657.89,2884 3771,2884 3810,2845 3810,2720 3895,2635 MK1.8
NRF_MISO(PA6): MK1.7 pad.3@3555,2810 pad.3@3565,2695 U1.16 | length 692.6
  Top Layer w8: pad.3@3555,2810 3555,2828.92 3597.45,2871.37 U1.16 ; pad.3@3565,2695 3585,2675 3785,2675 3845,2615 3845,2540.75 3845,2515 3895,2465 MK1.7
  Bottom Layer w8: pad.3@3555,2810 3555,2706.08 3565,2696.08 pad.3@3565,2695
NRF_MOSI(PA7): MK1.6 pad.3@3580,2826.76 pad.3@3630,2655 U1.17 | length 490.1
  Top Layer w8: pad.3@3580,2826.76 U1.17 ; pad.3@3630,2655 3775,2655 3795,2635 MK1.6
  Bottom Layer w8: pad.3@3580,2826.76 3580,2705 pad.3@3630,2655
OSCIN: C13.2 R9.1 U1.5 X1.2 | length 754.9
  Top Layer w8: U1.5 3580,3156.76 3580,3275 3605,3300 3799.49,3300 X1.2 C13.2 4005,3300 4007.06,3297.94 R9.1
OSCOUT: C14.2 pad.3@3895,3365 pad.3@3915,3235 R9.2 U1.6 X1.1 | length 980.6
  Top Layer w8: C14.2 3555,3340 ; U1.6 3560,3148.92 3560,3335 3555,3340 ; pad.3@3895,3365 3887.34,3372.66 3884.41,3375.59 3854.23,3375.59 3770.59,3375.59 3735,3340 X1.1 3555,3340 ; pad.3@3915,3235 3953.43,3196.57 R9.2
  Bottom Layer w8: pad.3@3895,3365 3915,3345 pad.3@3915,3235
PA11: pad.3@3970,2460 pad.3@4000,2360 R6.1 U1.32 | length 568.4
  Top Layer w8: U1.32 3910,2826.76 3910,2730 3970,2670 pad.3@3970,2460 ; R6.1 pad.3@4000,2360
  Bottom Layer w8: pad.3@3970,2460 3970,2390 pad.3@4000,2360
PA12: pad.3@3935,2765 pad.3@3940,2360 R7.1 R8.1 U1.33 | length 709
  Top Layer w8: U1.33 3935,2829.6 pad.3@3935,2765 ; pad.3@3940,2360 R8.1 3943.25,2340 3973.25,2310 4026.75,2310 4056.75,2340 R7.1
  Bottom Layer w8: pad.3@3935,2765 3925,2755 3925,2605 3945,2585 3945,2417.5 3940,2412.5 pad.3@3940,2360
PC14: C9.2 pad.3@3660,3280 pad.3@3825,3610 U1.3 Y1.1 | length 760.9
  Top Layer w8: pad.3@3660,3280 3660,3279 3620,3239 3620,3172.44 U1.3 ; pad.3@3825,3610 3850.28,3610 Y1.1 3855.26,3611 C9.2
  Bottom Layer w8: pad.3@3660,3280 3690,3310 3750,3310 3770,3330 3770,3555 pad.3@3825,3610
PC15: C12.2 pad.3@3615,3260 pad.3@3825,3485 U1.4 Y1.4 | length 706.3
  Top Layer w8: pad.3@3615,3260 3615,3258.92 3605,3248.92 3605,3159.6 U1.4 ; pad.3@3825,3485 3851.26,3485 Y1.4 3856.26,3490 C12.2
  Bottom Layer w8: pad.3@3615,3260 3760,3260 3790,3290 3790,3450 pad.3@3825,3485
RESET: C2.2 K1.3 pad.3@2260,1965 pad.3@3453,2992 R4.1 U1.7 | length 2727.9
  Top Layer w8: K1.3 2114.8,2010.2 2160,1965 R4.1 ; C2.2 R4.1 ; pad.3@2260,1965 R4.1 ; pad.3@3453,2992 3453,3128 3470,3145 3536.08,3145 U1.7
  Bottom Layer w8: pad.3@2260,1965 2490,2195 3410,2195 3453,2238 pad.3@3453,2992
SWCLK: J7.3 U1.37 | length 1204.1
  Top Layer w8: J7.3 3850,3875 4000,3875 4036,3839 4036,3279.51 4036.05,3279.45 4036.05,3036.05 4020,3020 3968.11,3020 U1.37
SWIO: J7.5 pad.3@3942.44,2850 pad.3@4055,3020 U1.34 | length 1605.1
  Top Layer w8: J7.5 3765,3890 4010,3890 4050,3850 4050,3285.31 4050.05,3285.25 4050.05,3024.95 pad.3@4055,3020 ; U1.34 pad.3@3942.44,2850
  Bottom Layer w8: pad.3@3942.44,2850 4065,2850 4095,2880 4095,2980 pad.3@4055,3020
USART1_RX(PA10): J7.6 pad.3@3738.92,3220 pad.3@3760,3155 pad.3@3855,2920 U1.31 | length 1184.9
  Top Layer w8: pad.3@3738.92,3220 3760,3198.92 pad.3@3760,3155 ; pad.3@3855,2920 3835,2900 3835,2874.95 3864.71,2845.24 U1.31
  Bottom Layer w8: J7.6 3565,3590 3565,3255 3600,3220 pad.3@3738.92,3220 ; pad.3@3760,3155 3814.95,3100.05 3895,3020 3895,2985 3855,2945 pad.3@3855,2920
USART1_TX(PA9): J7.4 pad.3@3685,3240 pad.3@3735,3155 pad.3@3830,2925 U1.30 | length 1175.1
  Top Layer w8: pad.3@3685,3240 3685,3205 pad.3@3735,3155 ; pad.3@3830,2925 3815,2910 3815,2866.08 U1.30
  Bottom Layer w8: pad.3@3685,3240 3605,3240 3590,3255 3590,3515 J7.4 ; pad.3@3735,3155 3870,3020 3870,2995 3855,2980 3830,2955 pad.3@3830,2925
VCC3V3: C1.2 C3.2 C4.2 C5.2 C6.2 C10.2 C11.2 C15.2 C16.2 C17.2 C18.2 C19.2 C20.2 C21.2 C22.2 C23.2 C24.2 C25.2 C27.2 D1.A D2.A J2.1 J2.2 J7.7 J7.8 K2.3 K3.3 K4.3 K5.3 K6.3 K7.3 K8.3 K9.3 K10.3 K11.3 MK1.2 R4.2 R34.2 U1.9 U1.24 U1.36 U1.48 U2.5 U3.1 U3.2 U3.5 U3.8 U4.1 U4.2 U4.5 U4.8 | length 14998.9
  Top Layer w8: U3.2 U3.1 2115,3279.05 2115,3205 2100,3190 C25.2 2026,3126 2000,3100 2000,2630 1930,2560 C15.2 1908.37,2489.37 K2.3 1908.37,2265 1973.37,2200 2165,2200 2200,2165 2200,2059.74 R4.2@2220,2039.74 ; R4.2 2266,2027.99 2323,2085 2323,2089.28 2348.53,2114.8 K5.3 2358.37,2164.04 2385,2190.67 C18.2 2358.37,2267.63 K3.3 2360,2651.63 2360,2751.57 C16.2 2384.79,2875.74 U3.5 ; K4.3 2778.37,2439.04 2805,2465.67 C17.2 2805,2551.64 2840,2586.64 2840,2675 2899.8,2734.8 K10.3 ; U3.8 2575,3305 2514.05,3244.05 U3.5 ; J2.2 3400,3245 3415.55,3260.55 ; R34.2 3415.55,3260.55 ; C10.2 3569.37,3055 3596.42,3027.95 U1.9 3645.4,2980 3725,2980 ; MK1.2 3485,2665 ; J7.7 3645,3770 ; C27.2 3945,3750 3925,3770 3645,3770 ; C11.2 4004.99,2843.12 ; C5.2 3925.06,3190 3831.89,3190 U1.48 3725,3083.11 3725,2980 ; K11.3 4218.21,2734.8 4243.74,2760.33 4243.74,2760.77 4270,2787.03 ; K6.3 4398.37,2454.37 C19.2 4455,2635 ; U4.5 4890,2889.05 ; U4.8 5274.05,3069.05 5155,2950 5065,2950 5004.05,2889.05 4890,2889.05 ; D1.A D2.A 5250,1790 5220,1820 5220,1975 5167.5,2027.5 5042.5,2027.5 4955.2,2114.8 K9.3 4818.37,2174.94 C22.2 4879.79,2334.79 4934.8,2389.8 K8.3 5278.21,2389.8 5325,2436.59 C21.2 5268.29,2567.71 4925.5,2567.71 4843.21,2650 K7.3 ; U3.5 2663.05,2856 C23.2 3000,2800 2973.37,2773.37 K10.3 ; K10.3 3095.2,2734.8 3165,2665 3485,2665 ; 3415.55,3260.55 3395,3281.11 3395,3520 J7.8 3645,3770 ; 3485,2665 C6.2 3668.11,2720 U1.24 3741.56,2793.44 3741.56,2820 ; 3725,2980 3745,2960 3745,2880 3720,2855 3720,2841.56 3741.56,2820 ; 3741.56,2820 3799,2877.44 3799,2929 3825,2955 3893.11,2955 U1.36 4004.99,2843.12 ; 4004.99,2843.12 4015,2853.13 4015,2895.06 C3.2 C4.2 4120,3085.94 U2.5 4100.31,3144.13 4079,3165.45 4079,3459 4150,3530 U4.2 U4.1 4375,3279.05 4375,3220 4360,3205 C1.2 4270,3036 C24.2 4270,2787.03 ; 4270,2787.03 4372.85,2684.17 4422.03,2635 4455,2635 ; 4455,2635 4470,2650 K7.3 ; K7.3 4833.37,2713.37 C20.2 4890,2889.05
  Bottom Layer w8: U3.8 3180,3305 J2.1 J2.2
pads on no net: S1.0 S1.3 U1.29 U1.39 U1.40 U3.MOUNT1 U3.MOUNT2 U3.MOUNT3 U3.MOUNT4 U4.MOUNT1 U4.MOUNT2 U4.MOUNT3 U4.MOUNT4 USB1.0 Y1.2 Y1.3

## Polygon pours and split planes (outlines as drawn)
GND on Top Layer "GND_L01_P000" (solid, remove dead copper, pour order 0): 1335,5105 1335,1395 1720,1010 5880,1010 5880,4685 5865,4700
GND on Bottom Layer "GND_L02_P001" (solid, remove dead copper, pour order 1): 1505,4880 1655,4730 1655,1130 5865,1130 5955,1040 6145,1230 6145,4595

## Keep-outs
Keep-Out Layer:
  the board outline again, w10

## Silkscreen, mask and mechanical layers (free items; w line width, h text height)
Top Overlay:
  lines w10: 4055,3770 4520,3770 ; 4155,3695 4155,3850 ; 4275,3695 4275,3850 ; 4420,3695 4420,3845 ; 4055,3690 4525,3690 4525,3850 4055,3850 4055,3690
  text "3V3 SWIO SWCLK GND /  / 3V3  RX   TX   GND" at 4065,3710 h50
  text "BY ZYe" at 3190,3470 h70
  text "K" at 1975,3365 h100
  text "L" at 4250,3365 h100
  text "0  0" at 3230,2940 h60
  text "E" at 3120,2575 h100
  text "F" at 4335,2575 h100
  text "B" at 2505,2490 h100
  text "H" at 4960.74,2490 h100
  text "A" at 2050,2225 h100
  text "C" at 2925,2225 h100
  text "G" at 4525,2225 h100
  text "I" at 5410,2213.62 h100
  text "ON/OFF" at 3335,2175 h100
  text "Z" at 4960.74,1955.74 h100
  text "D" at 2508.79,1955 h100
  text "RESET" at 2015,1875 h60 r90
  text "OK" at 5265,1705 h50
  text "PWR" at 5370,1705 h50
Bottom Overlay:
  text "V" at 3055,2130 h80
  text "G" at 3155,2130 h80
  text "BY ZYe" at 2555,2115 h120
Mechanical 1:
  the board outline again, w10